# Allegro board 1156197-TDI_VU3P_QSFP28_CXP_V001_1023A-166-20241121_1644_PCB.brd (continued)
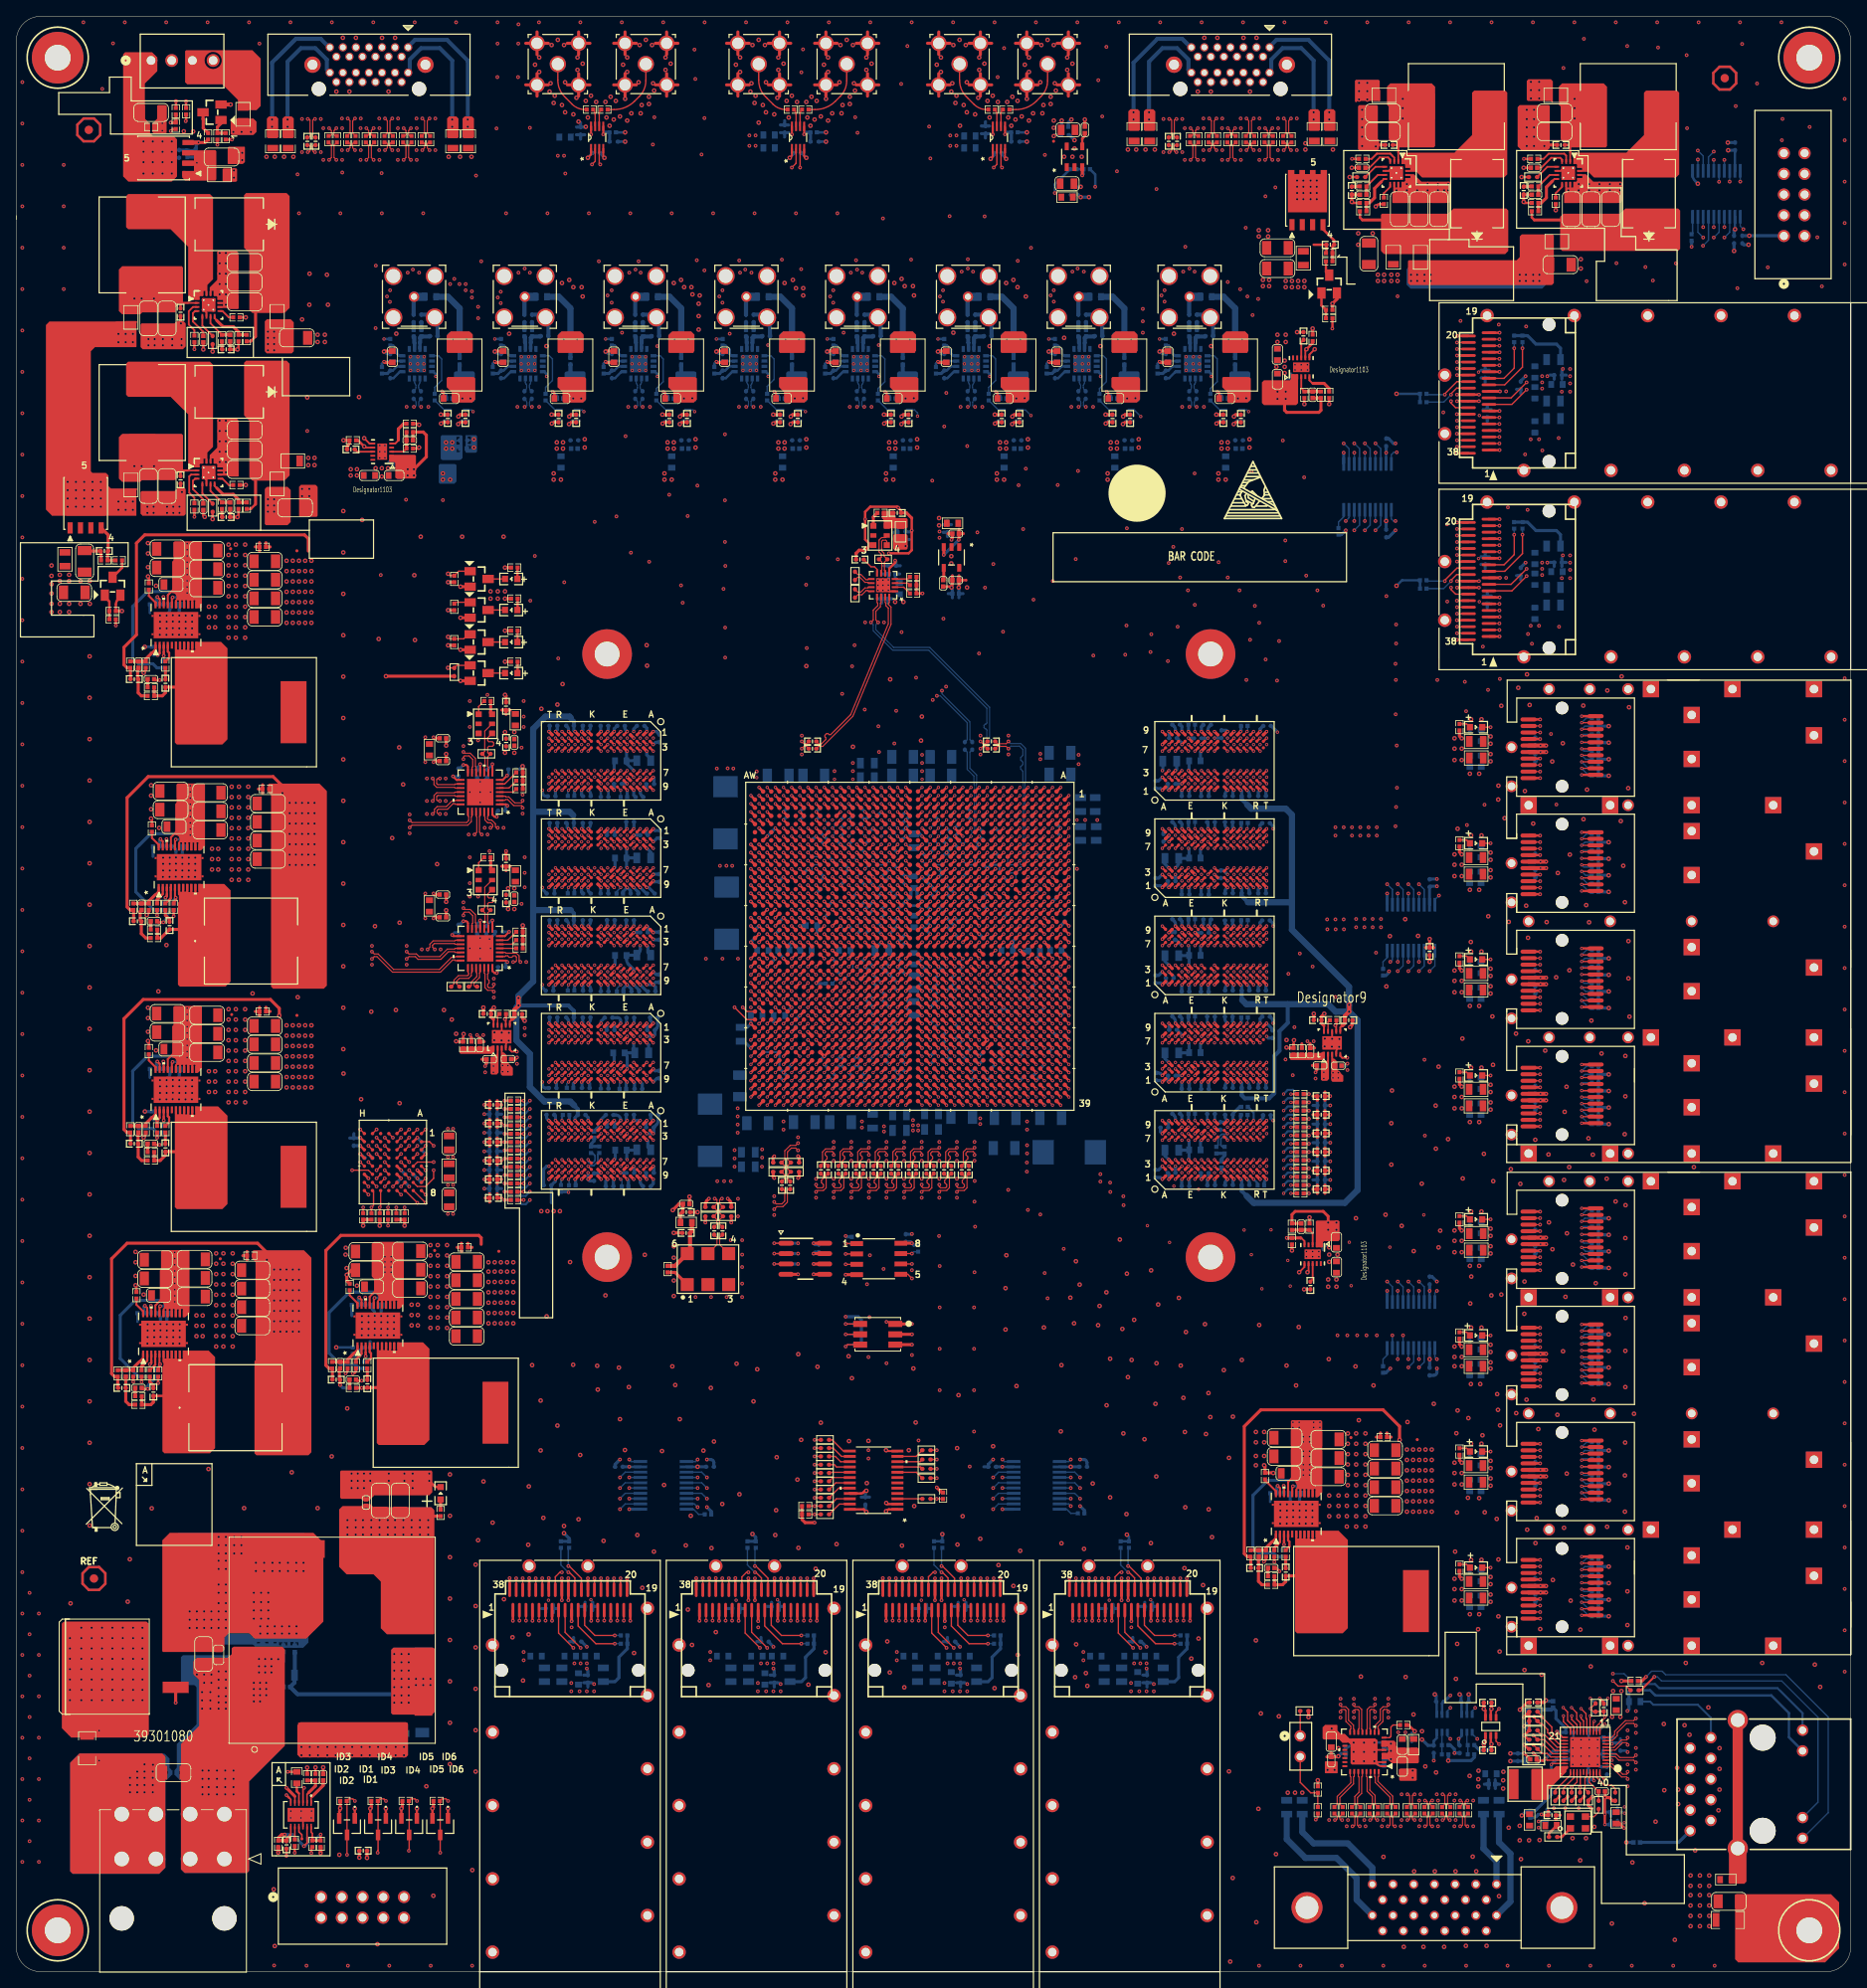
[diagram p0: board, top side]
## Routing (per net, layer and track width the routed paths; a pad name or vN(x,y) marks a point on that pad's centre or on a via; arc(x,y) is an arc through that point) (continued)
CHA_MGTH224_RXP0: length 71.2
  TOP w0.14: U1.AV4 v3(91.1,142.36)
  ART16 w0.102: 89.94,145.15 89.96,145.14 90.03,145.14 90.39,144.78 arc(90.47,144.66) 90.5,144.52 90.5,143.06 arc(90.59,142.84) 90.81,142.76 91,142.76 arc(91.07,142.73) 91.1,142.65 v3(91.1,142.36)
  ART16 w0.114: v1(48.76,192.07) 48.98,191.85 arc(49.03,191.77) 49.06,191.66 49.06,191.65 arc(49.1,191.45) 49.21,191.27 50.01,190.48 arc(50.31,190.02) 50.42,189.48 50.42,188.47 arc(50.64,187.36) 51.27,186.42 55.73,181.96 57.25,180.44 arc(58.55,179.57) 60.07,179.27 arc(63.12,178.66) 65.71,176.94 70.08,172.57 87.32,155.32 arc(88.96,152.87) 89.53,149.99 89.53,146.03 arc(89.62,145.6) 89.86,145.24 89.94,145.15
  BOTTOM w0.14: v1(48.76,192.07) 48.91,192.07 48.98,192.14 arc(49.02,192.2) 49.03,192.27 49.03,192.55 arc(49,192.73) 48.9,192.89 C549.2
CHA_MGTH224_RXP1: length 61.5
  TOP w0.14: U1.AU2 v3(92.1,144.36)
  ART16 w0.102: v3(92.1,144.36) 92.1,144.65 arc(92.07,144.73) 92,144.76 91.8,144.76 arc(91.59,144.84) 91.5,145.06 91.5,145.82 91.45,145.87 91.45,145.9
  ART16 w0.114: v1(62.35,192.07) 62.51,191.91 arc(62.61,191.76) 62.64,191.58 62.64,186.29 arc(63.09,184.07) 64.35,182.18 88.92,157.61 arc(90.79,154.81) 91.45,151.51 91.45,145.9
  BOTTOM w0.14: v1(62.35,192.07) 62.5,192.07 62.57,192.14 arc(62.61,192.2) 62.62,192.27 62.62,192.55 arc(62.59,192.73) 62.49,192.89 C545.2
CHA_MGTH224_RXP2: length 56.6
  TOP w0.14: U1.AR2 v3(94.1,144.36)
  ART16 w0.102: v3(94.1,144.36) 94.1,144.65 arc(94.07,144.73) 94,144.76 93.8,144.76 arc(93.59,144.84) 93.5,145.06 93.5,145.82 93.45,145.87 93.45,145.9
  ART16 w0.114: 93.45,145.9 93.45,159.69 arc(92.65,163.72) 90.36,167.14 78.54,178.96 arc(76.83,181.52) 76.23,184.53 76.23,190.42 arc(76.22,190.5) 76.17,190.57 76.16,190.58 arc(76.11,190.65) 76.1,190.73 76.1,191.02 arc(76.11,191.1) 76.16,191.16 76.17,191.18 arc(76.22,191.24) 76.23,191.32 76.23,191.58 arc(76.2,191.76) 76.1,191.91 v1(75.94,192.07)
  BOTTOM w0.14: v1(75.94,192.07) 76.09,192.07 76.16,192.14 arc(76.2,192.2) 76.21,192.27 76.21,192.55 arc(76.18,192.73) 76.07,192.89 C573.2
CHA_MGTH224_RXP3: length 52.1
  TOP w0.14: U1.AN2 v3(96.1,144.36)
  ART16 w0.102: 95.45,145.9 95.45,145.87 95.5,145.82 95.5,145.06 arc(95.59,144.84) 95.8,144.76 96,144.76 arc(96.07,144.73) 96.1,144.65 v3(96.1,144.36)
  ART16 w0.114: v1(89.53,192.07) 89.68,191.91 arc(89.79,191.76) 89.82,191.58 89.82,182.2 arc(90.32,179.7) 91.73,177.58 93.92,175.4 arc(95.05,173.71) 95.45,171.71 95.45,145.9
  BOTTOM w0.14: C569.2 89.8,192.75 89.8,192.19 89.67,192.07 v1(89.53,192.07)
CHA_MGTH225_RXN0: length 52
  TOP w0.14: U1.AL1 v3(98.1,145.36)
  ART16 w0.102: v3(98.1,145.36) 98.1,145.06 arc(98.07,144.99) 98,144.96 97.8,144.96 arc(97.73,144.99) 97.7,145.06 97.7,145.82 97.75,145.87 97.75,145.9
  ART16 w0.114: 97.75,145.9 97.75,146.13 arc(97.79,146.21) 97.87,146.25 arc(97.96,146.28) 97.99,146.37 97.99,146.59 arc(97.96,146.67) 97.87,146.71 arc(97.79,146.74) 97.75,146.83 97.75,146.98 arc(97.8,147.19) 97.92,147.37 arc(98.2,147.79) 98.3,148.29 98.3,178.82 arc(98.76,181.16) 100.09,183.15 101.6,184.66 arc(103.17,187) 103.72,189.77 103.72,191.58 arc(103.75,191.76) 103.86,191.91 v1(104.01,192.07)
  BOTTOM w0.14: C599.2 103.84,192.9 arc(103.75,192.77) 103.72,192.61 103.72,192.24 arc(103.77,192.12) 103.9,192.07 v1(104.01,192.07)
CHA_MGTH225_RXN1: length 59.2
  TOP w0.14: U1.AJ1 v3(100.1,145.36)
  ART16 w0.102: 99.75,145.9 99.75,145.87 99.7,145.82 99.7,145.06 arc(99.73,144.99) 99.8,144.96 100,144.96 arc(100.07,144.99) 100.1,145.06 v3(100.1,145.36)
  ART16 w0.114: 99.75,145.9 99.75,146.47 arc(99.79,146.55) 99.88,146.59 arc(99.96,146.63) 100,146.71 100,146.92 arc(99.96,147.01) 99.88,147.05 arc(99.79,147.08) 99.75,147.17 99.75,174.24 arc(100.19,176.41) 101.41,178.25 103.76,180.59 arc(104.26,180.93) 104.86,181.05 106.55,181.05 arc(107.91,181.32) 109.06,182.09 109.98,183.01 116.92,189.95 arc(117.21,190.37) 117.31,190.88 117.31,191.58 arc(117.34,191.76) 117.45,191.91 v1(117.6,192.07)
  BOTTOM w0.14: C595.2 117.43,192.9 arc(117.34,192.77) 117.31,192.61 117.31,192.24 arc(117.36,192.12) 117.48,192.07 v1(117.6,192.07)
CHA_MGTH225_RXN2: length 61.5
  TOP w0.14: U1.AG1 v3(102.1,145.36)
  ART16 w0.102: 101.75,145.9 101.75,145.87 101.7,145.82 101.7,145.06 arc(101.73,144.99) 101.8,144.96 102,144.96 arc(102.07,144.99) 102.1,145.06 v3(102.1,145.36)
  ART16 w0.114: v1(131.19,192.07) 131.03,191.91 arc(130.93,191.76) 130.9,191.58 130.9,190.21 arc(130.42,187.81) 129.06,185.77 114.71,171.42 113.91,170.62 arc(113.07,169.37) 112.78,167.89 112.78,167.33 arc(112.51,165.97) 111.74,164.82 105.28,158.37 102.85,155.94 arc(102.04,154.72) 101.75,153.29 101.75,147.02 arc(101.79,146.93) 101.88,146.89 arc(101.97,146.86) 102.01,146.77 102.01,146.56 arc(101.97,146.47) 101.88,146.44 arc(101.79,146.4) 101.75,146.31 101.75,145.9
  BOTTOM w0.14: C623.2 131.02,192.9 arc(130.93,192.77) 130.9,192.61 130.9,192.24 arc(130.95,192.12) 131.07,192.07 v1(131.19,192.07)
CHA_MGTH225_RXN3: length 68.4
  TOP w0.14: U1.AE1 v3(104.1,145.36)
  ART16 w0.102: 103.75,145.9 103.75,145.87 103.7,145.82 103.7,145.06 arc(103.73,144.99) 103.8,144.96 104,144.96 arc(104.07,144.99) 104.1,145.06 v3(104.1,145.36)
  ART16 w0.114: v1(144.78,192.07) 144.62,191.91 arc(144.52,191.76) 144.49,191.58 144.49,191.24 arc(144.26,190.12) 143.63,189.17 137.06,182.6 136.4,181.94 arc(134.77,180.85) 132.84,180.47 arc(131.25,180.15) 129.9,179.25 106.32,155.67 arc(104.42,152.83) 103.75,149.48 103.75,148.46 arc(103.77,148.42) 103.82,148.4 arc(103.87,148.38) 103.89,148.33 103.89,148.01 arc(103.87,147.96) 103.82,147.94 arc(103.77,147.92) 103.75,147.88 103.75,147.55 arc(103.77,147.5) 103.82,147.48 arc(103.87,147.46) 103.89,147.42 103.89,147.09 arc(103.87,147.05) 103.82,147.03 arc(103.77,147.01) 103.75,146.96 103.75,145.9
  BOTTOM w0.14: C619.2 144.61,192.9 arc(144.52,192.77) 144.49,192.61 144.49,192.24 arc(144.54,192.12) 144.66,192.07 v1(144.78,192.07)
CHA_MGTH225_RXP0: length 52
  TOP w0.14: U1.AL2 v3(98.1,144.36)
  ART16 w0.102: v3(98.1,144.36) 98.1,144.65 arc(98.07,144.73) 98,144.76 97.8,144.76 arc(97.59,144.84) 97.5,145.06 97.5,145.82 97.45,145.87 97.45,145.9
  ART16 w0.114: v1(103.12,192.07) 103.27,191.91 arc(103.38,191.76) 103.41,191.58 103.41,189.77 arc(102.88,187.12) 101.38,184.88 99.88,183.37 arc(98.48,181.28) 97.99,178.82 97.99,148.29 arc(97.92,147.91) 97.7,147.59 arc(97.51,147.31) 97.45,146.98 97.45,145.9
  BOTTOM w0.14: C597.2 103.25,192.89 arc(103.35,192.73) 103.39,192.55 103.39,192.27 arc(103.38,192.2) 103.34,192.14 103.26,192.07 v1(103.12,192.07)
CHA_MGTH225_RXP1: length 59.2
  TOP w0.14: U1.AJ2 v3(100.1,144.36)
  ART16 w0.102: v3(100.1,144.36) 100.1,144.65 arc(100.07,144.73) 100,144.76 99.8,144.76 arc(99.59,144.84) 99.5,145.06 99.5,145.82 99.45,145.87 99.45,145.9
  ART16 w0.114: v1(116.71,192.07) 116.86,191.91 arc(116.96,191.76) 117,191.58 117,190.88 arc(116.92,190.49) 116.7,190.16 109.76,183.22 108.85,182.31 arc(107.79,181.6) 106.55,181.36 104.86,181.36 arc(104.14,181.21) 103.54,180.81 101.2,178.47 arc(99.9,176.53) 99.45,174.24 99.45,145.9
  BOTTOM w0.14: v1(116.71,192.07) 116.85,192.07 116.93,192.14 arc(116.97,192.2) 116.98,192.27 116.98,192.55 arc(116.94,192.73) 116.84,192.89 C593.2
CHA_MGTH225_RXP2: length 61.6
  TOP w0.14: U1.AG2 v3(102.1,144.36)
  ART16 w0.102: v3(102.1,144.36) 102.1,144.65 arc(102.07,144.73) 102,144.76 101.8,144.76 arc(101.59,144.84) 101.5,145.06 101.5,145.82 101.45,145.87 101.45,145.9
  ART16 w0.114: 101.45,145.9 101.45,153.29 arc(101.76,154.84) 102.63,156.16 105.07,158.59 111.52,165.04 arc(112.22,166.09) 112.47,167.33 112.47,167.89 arc(112.79,169.49) 113.69,170.84 114.49,171.64 128.84,185.99 arc(130.14,187.93) 130.59,190.21 130.59,191.58 arc(130.55,191.76) 130.45,191.91 v1(130.3,192.07)
  BOTTOM w0.14: v1(130.3,192.07) 130.44,192.07 130.51,192.14 arc(130.55,192.2) 130.57,192.27 130.57,192.55 arc(130.53,192.73) 130.43,192.89 C621.2
CHA_MGTH225_RXP3: length 68.4
  TOP w0.14: U1.AE2 v3(104.1,144.36)
  ART16 w0.102: v3(104.1,144.36) 104.1,144.65 arc(104.07,144.73) 104,144.76 103.8,144.76 arc(103.59,144.84) 103.5,145.06 103.5,145.82 103.45,145.87 103.45,145.9
  ART16 w0.114: 103.45,145.9 103.45,149.48 arc(104.14,152.95) 106.1,155.88 129.68,179.47 arc(131.13,180.43) 132.84,180.77 arc(134.65,181.13) 136.19,182.16 136.91,182.88 143.41,189.38 arc(143.98,190.23) 144.18,191.24 144.18,191.58 arc(144.14,191.76) 144.04,191.91 v1(143.89,192.07)
  BOTTOM w0.14: v1(143.89,192.07) 144.03,192.07 144.1,192.14 arc(144.14,192.2) 144.16,192.27 144.16,192.55 arc(144.12,192.73) 144.02,192.89 C617.2
CHA_MGTVCCAUX: length 18.7
  TOP w0.305: U1.AF33 v3(103.1,112.36) ; U1.P33 v3(116.1,112.36) ; U1.V7 v3(111.1,139.36) ; U1.V33 v3(112.1,112.36) ; U1.AB33 v3(107.1,112.36) ; U1.AF7 v1(104.1,138.36) ; U1.AB7 v3(107.1,139.36)
  TOP w0.381: C764.1 116.15,170.79 ; C764.1 115.62,170.26 ; C764.1 115.62,171.32 ; U1.P7 v3(115.1,139.36)
  BOTTOM w0.381: v3(107.1,139.36) U1.AB7 C121.1 ; C122.1 110.8,139.66 v3(111.1,139.36) ; C132.1 v3(116.1,112.36) 115.61,112.84 C119.1 ; C136.1 112.58,112.83 v3(112.1,112.36) ; C764.1 115.62,171.32 ; C764.1 116.15,170.79 ; C764.1 115.62,170.26 ; v3(107.1,112.36) 106.63,112.83 C118.1 ; C135.1 103.6,111.86 v3(103.1,112.36) 102.6,111.86 C120.1 ; 115.62,168.63 R423.2 ; R423.2 116.12,169.14 ; R423.2 115.62,169.65 ; C133.1 v3(115.1,139.36) ; C117.1 104.6,138.86 v1(104.1,138.36) U1.AF7 C134.1
  vias: v2(115.6,169.9) v2(116.61,169.9)
CHA_MGTY_124_CLK0_N: length 102.9
  TOP w0.14: C83.2 99.01,97.62 99.01,97.39 98.76,97.13 98.76,96.85 99.01,96.59 99.01,96.35 98.87,96.22 98.24,96.22 98.1,96.35 v1(98.1,96.6) ; U62.13 55.9,147.82 55.98,147.9 55.98,148.79 55.54,149.23 54.98,149.23 54.84,149.09 v1(54.84,148.83)
  ART03 w0.114: v1(98.1,96.6) 97.81,96.31 97.28,96.31 97.17,96.42 97.17,96.69 97.05,96.8 96.82,96.8 96.71,96.69 96.71,96.42 96.59,96.31 95.64,96.31 93.73,98.22 81.28,98.22 78.99,95.94 69.47,95.94 68.96,96.45 64.72,96.45 64.06,97.1 64.06,108.4 63.68,108.79 63.68,138.71 59.31,143.08 59.31,145.6 57.69,147.22 55.79,147.22 55.68,147.33 55.68,147.64 55.56,147.75 55.33,147.75 55.22,147.64 55.22,147.33 55.11,147.22 54.79,147.22 54.18,147.83 54.18,148.92 54.37,149.11 54.56,149.11 v1(54.84,148.83)
CHA_MGTY_124_CLK0_P: length 102.7
  TOP w0.14: C80.2 99.34,97.73 99.34,96.22 99.01,95.89 98.27,95.89 v1(98.1,95.71) ; v1(54.84,149.72) 55,149.56 55.68,149.56 56.31,148.92 56.31,147.93 56.4,147.85 U62.12
  ART03 w0.114: v1(54.84,149.72) 54.54,149.42 54.24,149.42 53.87,149.05 53.87,147.7 54.66,146.91 57.56,146.91 59,145.47 59,142.95 63.37,138.58 63.37,108.66 63.75,108.28 63.75,96.97 64.59,96.14 68.83,96.14 69.34,95.63 79.12,95.63 81.41,97.92 93.6,97.92 95.51,96 97.81,96 v1(98.1,95.71)
CHA_MGTY_124_CLK1_N: length 93.1
  TOP w0.14: U61.13 55.9,128.64 55.98,128.73 55.98,129.61 55.54,130.05 54.98,130.05 54.84,129.91 v1(54.84,129.65) ; v1(100.26,96.6) 100.26,96.35 100.4,96.22 101.03,96.22 101.17,96.35 101.17,96.59 100.91,96.85 100.91,97.13 101.17,97.39 101.17,97.62 C89.2
  ART03 w0.114: v1(54.84,129.65) 54.84,129.83 54.73,129.94 54.42,129.94 54.31,129.83 54.31,128.38 54.42,128.26 54.65,128.26 54.76,128.15 54.76,127.92 54.65,127.81 54.42,127.81 54.31,127.69 54.31,124.51 55.06,123.75 59.51,123.75 60.66,122.61 60.66,118.03 61.57,117.12 61.57,114.45 62.36,113.67 62.36,109.09 61.21,107.95 61.21,94.36 61.72,93.85 63.32,93.85 63.88,94.41 79.37,94.41 81.1,96.14 93.85,96.14 95.5,94.49 99.06,94.49 99.34,94.76 99.34,95.16 99.22,95.28 98.95,95.28 98.83,95.39 98.83,95.62 98.95,95.74 99.22,95.74 99.34,95.85 99.34,96.02 99.65,96.34 99.99,96.34 v1(100.26,96.6)
CHA_MGTY_124_CLK1_P: length 93.1
  TOP w0.14: C86.2 101.5,97.73 101.5,96.22 101.17,95.89 100.43,95.89 v1(100.26,95.71) ; v1(54.84,130.54) 55,130.38 55.68,130.38 56.31,129.75 56.31,128.76 56.4,128.67 U61.12
  ART03 w0.114: v1(100.26,95.71) 99.94,96.03 99.78,96.03 99.64,95.9 99.64,94.64 99.19,94.18 95.38,94.18 93.73,95.83 81.23,95.83 79.5,94.11 64.01,94.11 63.45,93.55 61.59,93.55 60.91,94.23 60.91,108.08 62.05,109.22 62.05,113.54 61.26,114.32 61.26,116.99 60.35,117.91 60.35,122.48 59.38,123.44 54.94,123.44 54,124.38 54,129.96 54.29,130.25 54.73,130.25 54.84,130.36 v1(54.84,130.54)
CHA_MGTY_125_CLK0_N: length 115.5
  TOP w0.14: U62.17 53.83,145.28 53.74,145.37 51.56,145.37 51.23,145.7 51.23,146.29 v1(51.07,146.45) ; v1(102.42,95.71) 102.59,95.89 103.33,95.89 103.66,96.22 103.66,97.73 C81.2
  ART03 w0.114: v1(51.07,146.45) 51.3,146.23 51.3,145.66 51.59,145.36 54.03,145.36 54.43,144.96 54.43,137.54 51.76,134.87 51.76,129.79 52.65,128.9 52.65,124.15 51.41,122.91 51.41,115.16 57.99,108.58 57.99,95.43 61.09,92.33 80.95,92.33 82.42,93.8 88.77,93.8 90.55,92.02 98.88,92.02 101.73,94.87 101.73,95.77 101.96,96 102.13,96 v1(102.42,95.71)
CHA_MGTY_125_CLK0_P: length 115.4
  TOP w0.14: C78.2 103.33,97.62 103.33,97.39 103.07,97.13 103.07,96.85 103.33,96.59 103.33,96.35 103.19,96.22 102.56,96.22 102.42,96.35 v1(102.42,96.6) ; U62.16 53.86,145.78 53.77,145.69 51.7,145.69 51.56,145.83 51.56,146.31 51.7,146.45 v1(51.96,146.45)
  ART03 w0.114: v1(51.96,146.45) 51.72,146.45 51.6,146.34 51.6,145.78 51.72,145.67 52.28,145.67 52.48,145.87 52.74,145.87 52.94,145.67 54.16,145.67 54.74,145.09 54.74,137.41 52.07,134.75 52.07,129.92 52.96,129.03 52.96,124.03 51.71,122.78 51.71,115.29 58.29,108.71 58.29,95.56 61.21,92.64 80.83,92.64 82.3,94.11 88.9,94.11 90.68,92.33 98.75,92.33 99.24,92.81 99.24,92.97 99.15,93.07 99.15,93.23 99.31,93.39 99.47,93.39 99.56,93.3 99.72,93.3 101.42,95 101.42,95.89 101.84,96.31 102.13,96.31 v1(102.42,96.6)
CHA_MGTY_125_CLK1_N: length 93.9
  TOP w0.14: v1(51.33,125.48) 51.05,125.76 51.05,125.98 51.26,126.19 53.74,126.19 53.83,126.1 U61.17 ; v1(104.58,96.6) 104.58,96.35 104.71,96.22 105.35,96.22 105.49,96.35 105.49,96.59 105.23,96.85 105.23,97.13 105.49,97.39 105.49,97.62 C87.2
  ART03 w0.114: v1(104.58,96.6) 104.28,96.31 103.99,96.31 103.5,95.82 103.5,95.3 102.5,94.3 102.2,94.3 102.03,94.13 102.03,93.83 101.86,93.65 101.55,93.65 101.38,93.48 101.38,93.18 101.21,93.01 100.91,93.01 100.73,92.83 100.73,92.53 99.13,90.93 82.68,90.93 82.04,91.57 60.76,91.57 56.9,95.43 56.9,108.33 50.42,114.81 50.42,123.04 50.53,123.16 50.76,123.16 50.88,123.27 50.88,123.5 50.76,123.61 50.53,123.61 50.42,123.73 50.42,123.95 51.04,124.58 51.04,125.19 v1(51.33,125.48)
CHA_MGTY_125_CLK1_P: length 93.8
  TOP w0.14: v1(50.45,125.48) 50.73,125.76 50.73,126.12 51.12,126.52 53.77,126.52 53.86,126.6 U61.16 ; C84.2 105.82,97.73 105.82,96.22 105.48,95.89 104.75,95.89 v1(104.58,95.71)
  ART03 w0.114: v1(50.45,125.48) 50.74,125.19 50.74,124.7 50.11,124.08 50.11,114.68 56.59,108.2 56.59,95.3 60.63,91.26 81.91,91.26 82.55,90.62 99.26,90.62 103.81,95.18 103.81,95.69 104.12,96 104.28,96 v1(104.58,95.71)
CHA_MGTY_126_CLK0_N: length 128.5
  TOP w0.14: U62.19 53.86,144.28 53.77,144.37 51.7,144.37 51.56,144.23 51.56,143.83 51.7,143.69 v1(51.96,143.69) ; v1(106.73,95.71) 106.91,95.89 107.64,95.89 107.98,96.22 107.98,97.73 C82.2
  ART03 w0.114: v1(51.96,143.69) 51.88,143.69 51.77,143.81 51.77,144.1 51.9,144.22 52.96,144.22 53.19,143.99 53.19,139.22 48.71,134.75 48.71,114.43 55.45,107.7 55.45,94.92 60.25,90.12 62.99,90.12 71.22,81.89 95.53,81.89 99.59,85.95 99.59,88.86 102.24,91.51 102.55,91.51 102.72,91.67 102.72,91.99 102.88,92.15 103.2,92.15 103.37,92.32 103.37,92.63 103.53,92.8 103.85,92.8 104.01,92.96 104.01,93.28 105.92,95.19 105.92,95.89 106.11,96.08 106.62,96.08 106.73,95.96 v1(106.73,95.71)
CHA_MGTY_126_CLK0_P: length 129.1
  TOP w0.14: C79.2 107.65,97.62 107.65,97.39 107.39,97.13 107.39,96.85 107.65,96.59 107.65,96.35 107.51,96.22 106.87,96.22 106.73,96.35 v1(106.73,96.6) ; v1(51.07,143.69) 51.23,143.86 51.23,144.36 51.56,144.69 53.74,144.69 53.83,144.78 U62.18
  ART03 w0.114: v1(51.07,143.69) 51.35,143.69 51.46,143.81 51.46,144.22 51.77,144.53 53.08,144.53 53.49,144.12 53.49,139.09 53.11,138.71 53.11,138.55 53.11,138.54 53.11,138.38 52.95,138.22 52.79,138.22 52.79,138.22 52.63,138.22 52.46,138.06 52.46,137.9 52.47,137.9 52.47,137.74 52.3,137.57 52.14,137.57 52.14,137.58 51.98,137.58 49.02,134.62 49.02,114.55 55.75,107.82 55.75,95.05 60.38,90.42 63.12,90.42 71.35,82.2 95.4,82.2 99.29,86.08 99.29,88.99 105.61,95.31 105.61,96.01 105.98,96.39 106.62,96.39 106.73,96.5 v1(106.73,96.6)
CHA_MGTY_126_CLK1_N: length 115.2
  TOP w0.14: U61.19 53.86,125.1 53.77,125.19 53.01,125.19 52.08,124.26 49.27,124.26 48.94,124.59 48.16,124.59 v1(47.88,124.31) ; C88.2 109.81,97.62 109.81,97.39 109.55,97.13 109.55,96.85 109.81,96.59 109.81,96.35 109.67,96.22 109.03,96.22 108.89,96.35 v1(108.89,96.6)
  ART03 w0.114: v1(108.89,96.6) 108.89,96.35 108.78,96.23 107.84,96.23 107.52,95.91 107.52,94.97 106.76,94.21 106.51,94.21 106.31,94.02 106.31,93.76 106.11,93.57 105.86,93.57 105.66,93.37 105.66,93.12 105.47,92.92 105.21,92.92 105.02,92.72 105.02,92.47 102.54,89.99 102.54,85.65 101.6,84.71 99.95,84.71 96.33,81.09 70.96,81.09 62.71,89.33 59.89,89.33 54.61,94.61 54.61,107.37 47.75,114.23 47.75,119.08 47.12,119.71 47.12,119.96 47.29,120.14 47.29,120.42 47.12,120.59 47.12,120.87 47.29,121.05 47.29,121.33 47.12,121.51 47.12,121.79 47.29,121.97 47.29,122.25 47.12,122.42 47.12,122.7 47.29,122.88 47.29,123.16 47.12,123.34 47.12,124.46 47.34,124.69 47.76,124.69 47.88,124.57 v1(47.88,124.31)
CHA_MGTY_126_CLK1_P: length 114.8
  TOP w0.14: v1(47.88,125.2) 48.16,124.91 49.08,124.91 49.4,124.59 51.94,124.59 52.87,125.52 53.74,125.52 53.83,125.6 U61.18 ; v1(108.89,95.71) 109.07,95.89 109.8,95.89 110.13,96.22 110.13,97.73 C85.2
  ART03 w0.114: v1(108.89,95.71) 108.68,95.93 107.96,95.93 107.82,95.79 107.82,94.84 102.84,89.86 102.84,85.52 101.72,84.4 100.08,84.4 96.46,80.78 70.83,80.78 62.58,89.03 59.76,89.03 54.3,94.49 54.3,107.24 47.44,114.1 47.44,118.95 46.81,119.58 46.81,124.59 47.22,124.99 47.68,124.99 v1(47.88,125.2)
CHA_MGTY_127_CLK0_N: length 134.8
  TOP w0.14: C91.2 111.97,97.62 111.97,97.39 111.71,97.13 111.71,96.85 111.97,96.59 111.97,96.35 111.83,96.22 111.19,96.22 111.05,96.35 v1(111.05,96.6) ; U62.21 53.86,143.28 53.78,143.36 53.57,143.36 52.89,142.67 51.75,142.67 51.61,142.53 51.61,142.24 51.75,142.1 v1(51.96,142.1)
  ART03 w0.114: v1(51.96,142.1) 51.67,141.81 51.67,141.49 51.78,141.38 51.83,141.38 51.94,141.26 51.94,141.03 51.83,140.92 51.78,140.92 51.67,140.8 51.67,139.42 45.85,133.6 45.85,114.43 52.32,107.95 52.32,95.43 59.49,88.27 61.37,88.27 69.84,79.8 96.69,79.8 100.61,83.72 102.26,83.72 103.88,85.34 103.88,89.28 108.35,93.75 108.35,93.91 108.19,94.08 108.19,94.24 108.35,94.4 108.51,94.4 108.68,94.24 108.84,94.24 109.55,94.95 109.55,95.43 110.43,96.31 110.76,96.31 v1(111.05,96.6)
CHA_MGTY_127_CLK0_P: length 134.8
  TOP w0.14: v1(111.05,95.71) 111.23,95.89 111.96,95.89 112.29,96.22 112.29,97.73 C90.2 ; v1(51.07,142.1) 51.29,142.31 51.29,142.67 51.62,143 52.75,143 53.44,143.69 53.82,143.69 53.91,143.78 U62.20
  ART03 w0.114: v1(111.05,95.71) 110.76,96 110.56,96 109.86,95.3 109.86,94.82 104.19,89.15 104.19,85.22 102.39,83.41 100.74,83.41 96.81,79.49 69.71,79.49 61.24,87.96 59.36,87.96 52.02,95.3 52.02,107.82 45.54,114.3 45.54,133.73 51.36,139.55 51.36,141.81 v1(51.07,142.1)
CHA_MGTY_127_CLK1_N: length 144
  TOP w0.14: v1(43.62,124.31) 43.9,124.59 44.24,124.59 46.15,122.68 52.03,122.68 53.53,124.18 53.78,124.18 53.86,124.1 U61.21 ; C95.2 114.45,97.73 114.45,96.22 114.12,95.89 113.39,95.89 v1(113.21,95.71)
  ART03 w0.114: v1(43.62,124.31) 43.91,124.6 44.08,124.6 44.27,124.4 44.27,111 40.33,107.06 40.33,94.36 42.24,92.46 49.1,92.46 50.16,91.39 53.59,91.39 56.54,88.44 56.54,79.32 57.76,78.11 97.01,78.11 101.15,82.25 103.35,82.25 105.82,84.71 105.82,89.26 110.46,93.9 111.35,93.9 112.27,94.82 112.27,95.76 112.51,96 113.1,96 113.21,95.89 v1(113.21,95.71)
CHA_MGTY_127_CLK1_P: length 144
  TOP w0.14: U61.20 53.91,124.6 53.82,124.51 53.39,124.51 51.89,123.01 46.28,123.01 44.38,124.91 43.9,124.91 v1(43.62,125.2) ; C93.2 114.12,97.62 114.12,97.39 113.87,97.13 113.87,96.85 114.12,96.59 114.12,96.35 113.99,96.22 113.35,96.22 113.21,96.35 v1(113.21,96.6)
  ART03 w0.114: v1(43.62,125.2) 43.91,124.9 44.2,124.9 44.58,124.53 44.58,110.87 40.64,106.93 40.64,94.49 42.36,92.76 49.22,92.76 50.29,91.69 53.72,91.69 56.85,88.57 56.85,79.45 57.88,78.41 96.88,78.41 101.02,82.55 103.23,82.55 105.51,84.84 105.51,89.38 110.34,94.21 111.23,94.21 111.96,94.95 111.96,95.89 112.39,96.31 113.1,96.31 113.21,96.42 v1(113.21,96.6)
CHA_MGTY_128_CLK0_N: length 165.6
  TOP w0.14: U62.23 55.9,141.84 55.81,141.75 55.81,141.15 55.37,140.72 48.53,140.72 v1(48.25,140.44) ; v1(115.37,95.71) 115.55,95.89 116.28,95.89 116.61,96.22 116.61,97.73 C94.2
  ART03 w0.114: v1(48.25,140.44) 48.54,140.73 48.84,140.73 48.96,140.61 48.96,139.56 42.62,133.22 42.62,111.71 38.55,107.64 38.55,93.6 41.98,90.17 53.29,90.17 55.01,88.44 55.01,79.12 57.3,76.83 97.34,76.83 101.63,81.13 103.8,81.13 107.24,84.56 107.24,89.15 110.8,92.71 113.13,92.71 114.68,94.26 114.68,95.89 114.8,96 115.26,96 115.37,95.89 v1(115.37,95.71)
CHA_MGTY_128_CLK0_P: length 165.6
  TOP w0.14: v1(115.37,96.6) 115.37,96.35 115.51,96.22 116.14,96.22 116.28,96.35 116.28,96.59 116.03,96.85 116.03,97.13 116.28,97.39 116.28,97.62 C92.2 ; U62.22 55.4,141.87 55.48,141.79 55.48,141.29 55.24,141.04 48.53,141.04 v1(48.25,141.32)
  ART03 w0.114: v1(115.37,96.6) 115.37,96.42 115.26,96.31 114.67,96.31 114.37,96.02 114.37,94.39 114.06,94.07 113.89,94.07 113.76,94.2 113.6,94.2 113.44,94.04 113.44,93.87 113.57,93.75 113.57,93.58 113,93.01 110.67,93.01 106.93,89.28 106.93,84.69 103.68,81.43 101.5,81.43 97.21,77.14 57.43,77.14 55.32,79.25 55.32,88.57 53.41,90.48 42.11,90.48 38.86,93.73 38.86,107.52 42.93,111.58 42.93,133.1 49.26,139.43 49.26,140.74 48.97,141.03 48.54,141.03 v1(48.25,141.32)
CHA_MGTY_224_CLK0_N: length 71.3
  TOP w0.14: v1(61.83,123.93) 61.67,124.09 61.67,124.69 61.34,125.02 60.05,125.02 59.96,125.1 U61.3
  ART16 w0.102: v3(99.1,141.36) 99.1,141.06 99,140.96 97.38,140.96 97.28,141.06 97.28,141.12 97.18,141.22 96.98,141.22 96.88,141.12 96.88,141.06 96.77,140.96 95.55,140.96 95.36,141.15 95.14,141.15 94.95,140.96 89.68,140.96 89.64,141 89.61,141
  ART16 w0.114: 89.61,141 88.17,141 80.44,148.72 64.84,148.72 63.12,146.99 63.12,123.24 62.81,122.94 61.66,122.94 61.5,123.1 61.5,123.59 v1(61.83,123.93)
  BOTTOM w0.14: C99.2 99.6,140.86 v3(99.1,141.36)
CHA_MGTY_224_CLK0_P: length 71.2
  TOP w0.14: U61.2 59.93,124.6 60.02,124.69 60.27,124.69 60.45,124.51 60.78,124.51 60.96,124.69 61.2,124.69 61.34,124.55 61.34,124.07 61.2,123.93 v1(60.94,123.93)
  ART16 w0.102: 89.61,140.69 89.68,140.76 99,140.76 99.1,140.65 v3(99.1,140.36)
  ART16 w0.114: 89.61,140.69 88.04,140.69 80.32,148.41 64.97,148.41 63.43,146.87 63.43,123.12 62.94,122.63 61.53,122.63 61.19,122.97 61.19,123.69 v1(60.94,123.93)
  BOTTOM w0.14: C98.2 99.6,139.86 v3(99.1,140.36)
CHA_MGTY_225_CLK0_N: length 86.4
  TOP w0.14: v1(58.57,121.17) 58.57,120.91 58.43,120.77 57.95,120.77 57.81,120.91 57.81,121.16 57.99,121.34 57.99,121.67 57.81,121.84 57.81,122.45 57.9,122.54 U61.27
  ART16 w0.102: v3(102.1,140.36) 102.1,139.96 102,139.86 101.86,139.86 101.73,139.99 101.73,141.63 101.4,141.96 89.61,141.96 89.59,141.99
  ART16 w0.114: v1(58.57,121.17) 58.86,120.88 59.4,120.88 59.51,121 59.51,123.06 59.38,123.19 59.38,135.51 60.97,137.1 60.97,148.22 62.68,149.93 62.68,151.84 64.7,153.85 79.5,153.85 83.49,149.86 83.49,147.68 89.18,141.99 89.59,141.99
  BOTTOM w0.14: C97.2 102.6,140.86 v3(102.1,140.36)
CHA_MGTY_225_CLK0_P: length 86.4
  TOP w0.14: U61.26 57.4,122.56 57.48,122.48 57.48,120.78 57.81,120.45 58.41,120.45 v1(58.57,120.28)
  ART16 w0.102: v3(102.1,139.36) 102.1,139.55 102,139.65 101.77,139.65 101.52,139.9 101.52,141.55 101.31,141.76 89.67,141.76 89.6,141.68 89.59,141.68
  ART16 w0.114: v1(58.57,120.28) 58.86,120.58 59.52,120.58 59.82,120.87 59.82,123.19 59.69,123.32 59.69,135.38 61.28,136.97 61.28,148.09 62.99,149.81 62.99,151.71 64.82,153.54 79.38,153.54 83.19,149.73 83.19,147.55 89.05,141.68 89.59,141.68
  BOTTOM w0.14: v3(102.1,139.36) 102.6,139.86 C96.2
CHA_MGTY_226_CLK0_N: length 89.2
  TOP w0.14: v1(62.1,143.74) 62.1,143.6 61.96,143.46 61.14,143.46 60.4,144.19 60.05,144.19 59.96,144.28 U62.3
  ART07 w0.102: v3(106.1,140.36) 106.1,139.93 106.2,139.83 106.37,139.83 106.5,139.96 106.5,145.82 106.45,145.87 106.45,145.9
  ART07 w0.114: 106.45,145.9 106.45,146.43 106.25,146.63 106.25,146.89 106.45,147.09 106.45,147.35 106.25,147.55 106.25,147.8 106.45,148 106.45,148.26 106.25,148.46 106.25,148.72 106.45,148.92 106.45,153.98 94.54,165.89 69.93,165.89 65.46,161.42 65.46,154.61 64.39,153.54 64.39,151.38 61.04,148.03 61.04,146.52 61.15,146.4 61.28,146.4 61.39,146.29 61.39,146.06 61.28,145.94 61.15,145.94 61.04,145.83 61.04,145.6 61.15,145.49 61.28,145.49 61.39,145.37 61.39,145.14 61.28,145.03 61.15,145.03 61.04,144.92 61.04,143.8 61.46,143.38 61.98,143.38 62.1,143.51 v1(62.1,143.74)
  BOTTOM w0.14: C101.2 106.6,140.86 v3(106.1,140.36)
CHA_MGTY_226_CLK0_P: length 89.2
  TOP w0.14: U62.2 59.93,143.78 60.02,143.87 60.27,143.87 61,143.13 61.96,143.13 62.1,142.99 v1(62.1,142.85)
  ART07 w0.102: v3(106.1,139.36) 106.1,139.53 106.2,139.63 106.46,139.63 106.7,139.88 106.7,145.82 106.75,145.87 106.75,145.9